# Altium PCB GameBoard_V1I1.PcbDoc (part 12 of 22)
Units mil, origin at the board's own origin, x right, y up, seen from the top; angles counter-clockwise.
Board outline 7165.35 x 2814.96 mil, 12 copper layers (L1, L2, L3, L4, L5 (PWR), L6 (PWR), L7 (PWR), L8 (PWR), L9, L10, L11, L12), stack 61.575 mil thick; 1551 components, 1072 nets, 5467 pads, 3785 vias.
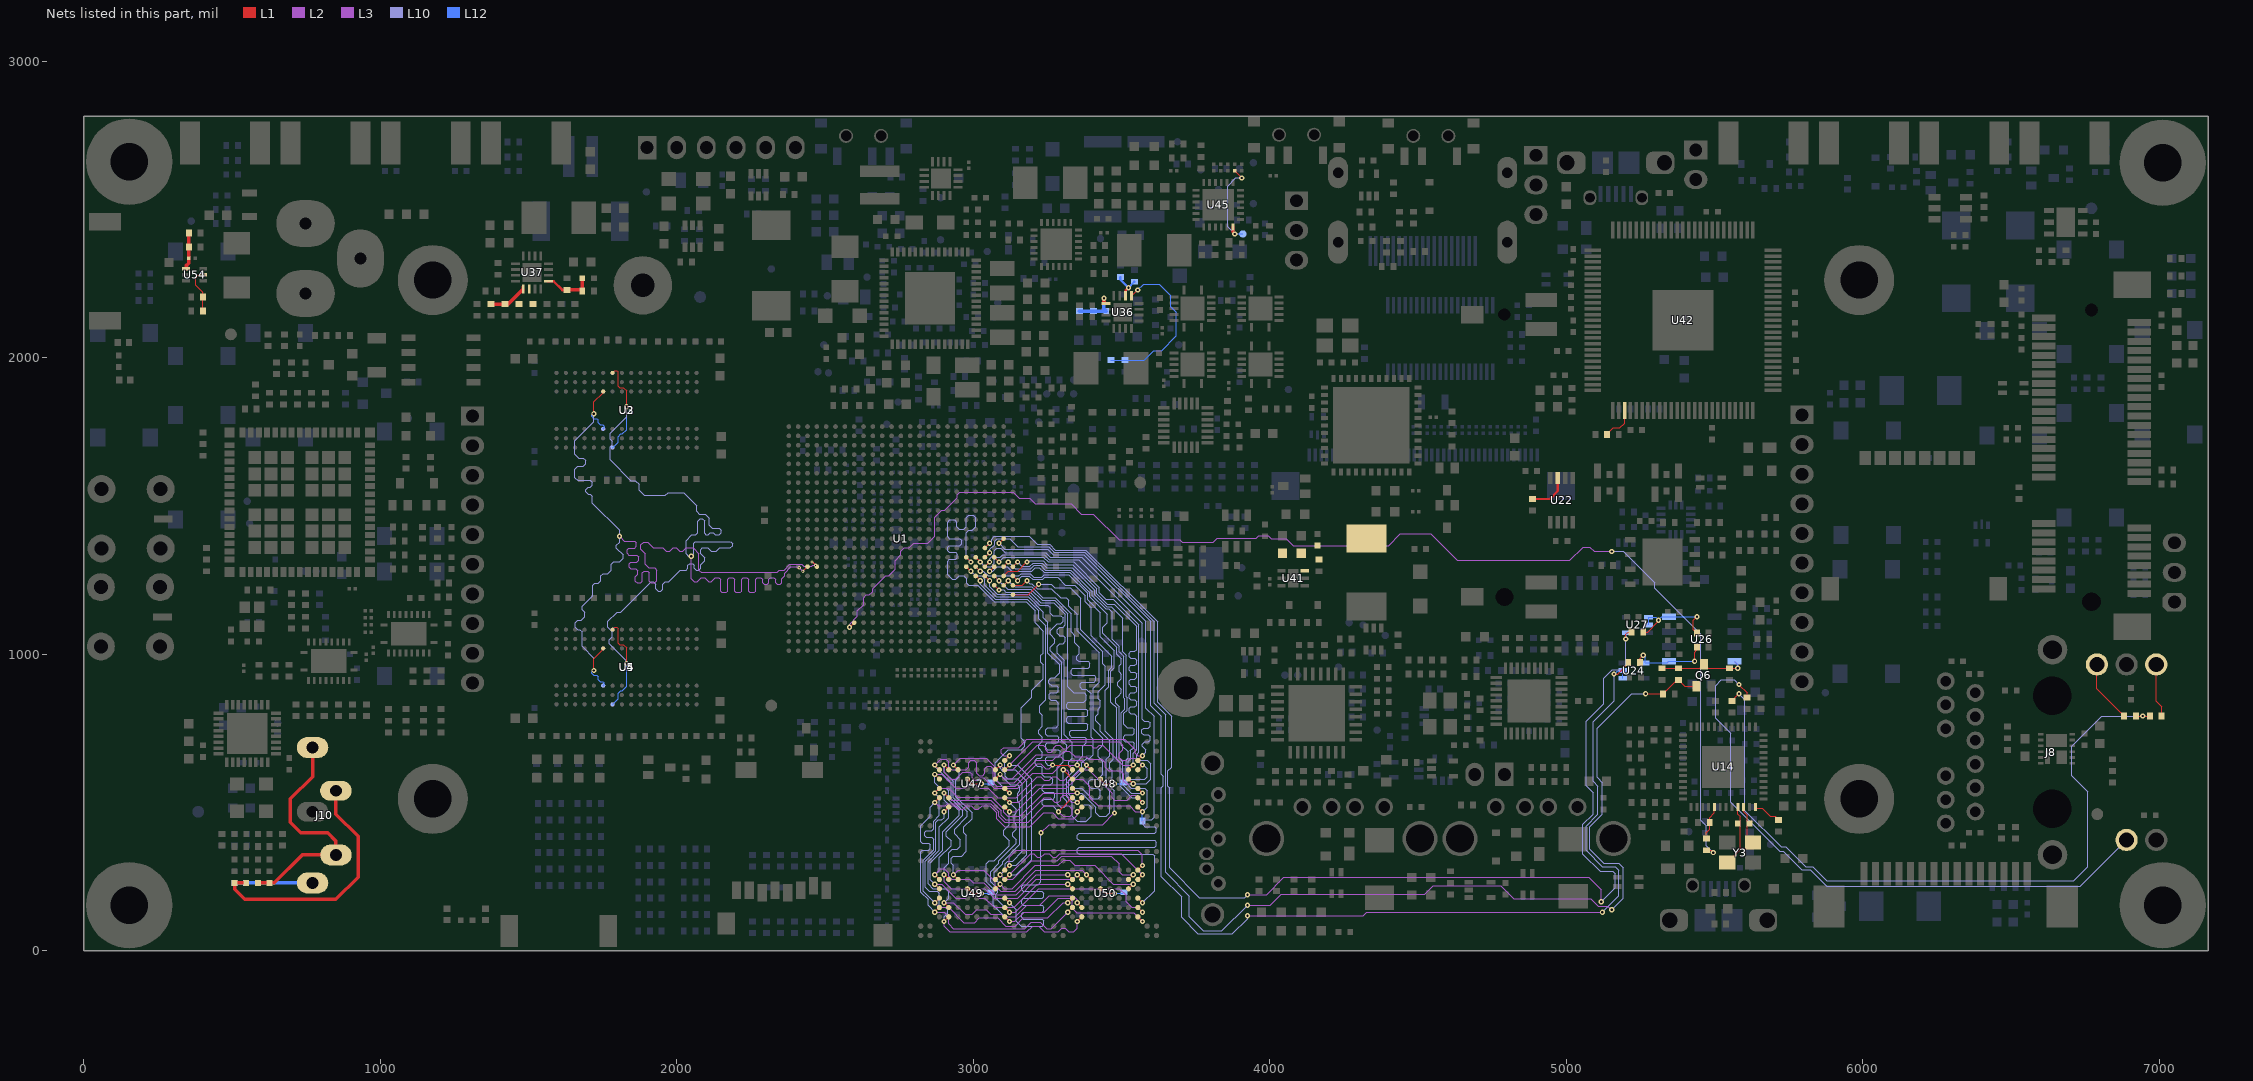
[diagram p22: the nets of this part, all layers, seen from the top]

## Via types
v1: diameter 17.72, hole 7.87, L1 to L12, 1935 vias
v2: diameter 17.72, hole 7.87, L1 to L12, tented both sides, 995 vias
v3: diameter 10.63, hole 3.94, L1 to L2, 334 vias
v4: diameter 11.81, hole 3.94, L2 to L3, 334 vias
v5: diameter 10.63, hole 3.94, L11 to L12, 94 vias
v6: diameter 11.81, hole 3.94, L10 to L11, 93 vias

## Nets (pads, with @x,y where several pads share a name; then routed paths per layer and width w, separated by ;. In a path a pad name is that pad's centre, name@x,y a point inside that pad or via, vN(x,y) a via of type N, cw(c..) or ccw(c..) an arc to the next point about the centre after c; other vN are vias at no path point) (continued)
DRAM_SDODT0: U1.AC16 U2.K1 U3.K1 U4.K1 U5.K1 | length 3543.6
  L1 w3.15: U4.K1@1783.53,1082.68 1791.4,1090.55 1798.29,1090.55 1802.23,1086.61 1802.23,1037.4 1807.15,1032.48 1820.33,1032.48 1830.77,1022.03 v2@1830.77,968.5 ; U2.K1@1783.53,1948.82 1791.4,1956.69 1798.29,1956.69 1802.23,1952.76 1802.23,1903.54 1807.15,1898.62 1820.33,1898.62 1830.77,1888.17 v2@1830.77,1834.65 ; v3(2425.2,1279.53) U1.AC16@2440.94,1295.28
  L3 w3.15: v2(2049.21,1330.71) 2049.21,1253.94 2059.06,1244.09 2068.9,1244.09 2082.68,1257.87 2094.49,1257.87 2108.27,1244.09 2116.14,1244.09 2129.92,1257.87 2141.73,1257.87 2147.64,1251.97 2147.64,1213.07 2152.05,1208.66 2166.85,1208.66 2171.26,1213.07 2171.26,1251.97 2177.16,1257.87 2188.98,1257.87 2194.88,1251.97 2194.88,1213.07 2199.29,1208.66 2214.09,1208.66 2218.5,1213.07 2218.5,1251.97 2224.41,1257.87 2236.22,1257.87 2242.13,1251.97 2242.13,1213.07 2246.54,1208.66 2261.33,1208.66 2265.75,1213.07 2265.75,1251.97 2271.65,1257.87 2283.46,1257.87 2289.37,1251.97 2289.37,1240.16 2294.29,1235.24 2305.12,1235.24 2310.04,1240.16 2310.04,1251.97 2315.94,1257.87 2327.76,1257.87 2333.66,1251.97 2333.66,1240.16 2338.58,1235.24 2349.41,1235.24 2354.33,1240.16 2354.33,1254.95 2364.17,1264.79 2364.17,1273.62 2384.84,1294.29 2410.43,1294.29 v4(2413.39,1291.34)
  L10 w3.15: v2(1830.71,968.5) 1830.71,976.38 1771.65,1035.43 1771.65,1048.23 1782.48,1059.06 1782.48,1075.79 1767.72,1090.55 1767.72,1110.24 1799.21,1141.73 1811.02,1141.73 1913.39,1244.09 1921.26,1244.09 1929.13,1236.22 1929.13,1220.47 1937.01,1212.6 1945.56,1212.6 1952.76,1219.8 1952.76,1236.22 1960.63,1244.09 1972.44,1244.09 2011.81,1283.46 2031.5,1283.46 2037.4,1289.37 2037.4,1299.21 2043.31,1305.12 2053.15,1305.12 2059.05,1299.21 2059.05,1289.37 2064.96,1283.46 2074.8,1283.46 2080.71,1289.37 2080.71,1301.18 2094.49,1314.96 2094.49,1324.8 2080.71,1338.58 2080.71,1352.36 2086.61,1358.27 2104.33,1358.27 2116.14,1346.46 2133.86,1346.46 2145.67,1358.27 2181.1,1358.27 2188.98,1366.14 2188.98,1372.78 2181.84,1379.92 ; v2@1830.77,1834.65 1830.77,1800.13 1775.66,1745.01 1775.66,1725.54 1782.48,1718.71 1782.48,1706.48 1775.66,1699.66 1775.66,1655.15 1845.18,1585.63 1859.77,1585.63 1873.03,1572.37 1873.03,1552.99 1890.59,1535.43 1960.7,1535.43 1970.54,1545.28 2022.91,1545.28 2066.99,1501.19 2066.99,1481.3 2075.85,1472.44 2095.75,1472.44 2110.3,1457.89 2110.3,1434.06 2119.16,1425.2 2142.99,1425.2 2149.67,1418.52 2149.67,1409.45 2142.78,1402.56 2129.99,1402.56 2123.1,1409.45 2113.25,1409.45 2106.36,1402.56 2098.49,1402.56 2093.57,1407.48 2093.57,1448.82 ; v2@2049.28,1330.71 v2(2049.21,1330.71) ; 2093.57,1449.8 2086.68,1456.69 2078.81,1456.69 2070.93,1448.82 2070.93,1409.51 2063.98,1402.56 2051.25,1402.56 2031.56,1382.87 2031.56,1338.58 2039.43,1330.71 v2(2049.21,1330.71) ; 2181.1,1379.92 2062.99,1379.92 2057.08,1374.02 2057.08,1338.58 v2(2049.21,1330.71)
  L2 w3.15: v4(2413.39,1291.34) v3(2425.2,1279.53)
  L12 w3.15: U5.K1@1783.46,830.71 1802.16,849.41 1802.23,849.41 1802.23,867.5 1811.7,876.97 1816.39,876.97 1830.77,891.35 v2@1830.77,968.5 ; U3.K1@1783.53,1696.85 1802.23,1715.55 1802.23,1733.65 1811.7,1743.11 1816.39,1743.11 1830.77,1757.49 v2@1830.77,1834.65
  other v2: 1830.71,1834.65
DRAM_WE_B: U1.AB16 U2.L3 U3.L3 U4.L3 U5.L3 | length 2902.3
  L1 w3.15: v2@1720.54,944.88 1720.54,984.93 1752.03,1016.42 U4.L3@1752.03,1019.68 ; v2@1720.54,1811.02 1720.54,1851.07 1752.03,1882.57 U2.L3@1752.03,1885.83 ; v3(2456.69,1311.02) U1.AB16@2472.44,1295.28
  L3 w3.15: v2(1807.09,1397.64) 1823.09,1381.64 1858.52,1381.64 1864.17,1375.98 1864.17,1363.92 1858.27,1358.02 1838.58,1358.02 1832.68,1352.11 1832.68,1340.3 1838.58,1334.39 1865.22,1334.39 1871.12,1328.49 1871.12,1316.68 1865.22,1310.77 1845.53,1310.77 1839.63,1304.87 1839.63,1293.06 1845.28,1287.4 1862.2,1287.4 1868.11,1281.5 1868.11,1269.68 1860.24,1261.81 1860.24,1246.06 1866.14,1240.16 1877.95,1240.16 1883.86,1246.06 1883.86,1274.16 1889.76,1280.07 1901.57,1280.07 1907.48,1274.16 1907.48,1246.06 1913.39,1240.16 1925.2,1240.16 1933.07,1248.03 1933.07,1283.46 1925.2,1291.34 1905.51,1291.34 1893.7,1303.15 1893.7,1338.58 1878.94,1353.35 1878.94,1368.32 1888.57,1377.95 1901.57,1377.95 1921.26,1358.27 1952.76,1358.27 1964.57,1346.46 1976.38,1346.46 1988.19,1358.27 1997.69,1358.27 2009.5,1346.46 2019.75,1346.46 2031.56,1358.27 2055.79,1358.27 2074.8,1339.26 2074.8,1283.46 2082.68,1275.59 2338.58,1275.59 2346.46,1283.46 2362.2,1283.46 2381.89,1303.15 2420.87,1303.15 2428.15,1295.87 2455.41,1295.87 2458.76,1299.21 v4(2468.5,1299.21)
  L10 w3.15: v2(1720.47,944.88) 1720.47,986.62 1680.68,1026.41 1680.68,1075.22 1673.23,1082.68 1665.36,1082.68 1657.48,1090.55 1657.48,1106.3 1665.36,1114.17 1677.17,1114.17 1688.98,1125.99 1688.98,1141.73 1681.1,1149.61 1681.1,1161.42 1716.54,1196.85 1716.54,1232.28 1723.86,1239.61 1735.67,1239.61 1744.09,1248.03 1744.09,1263.78 1751.97,1271.65 1767.72,1271.65 1779.53,1283.46 1779.53,1303.15 1787.4,1311.02 1807.09,1311.02 1818.9,1322.83 1818.9,1334.65 1796.64,1356.91 1796.64,1367.5 1807.09,1377.95 v2(1807.09,1397.64) ; v2@1720.54,1811.02 1720.54,1783.53 1656.42,1719.42 1656.42,1687.29 1656.5,1687.22 1656.5,1674.99 1656.42,1674.92 1656.42,1674.35 1669.36,1661.42 1685.11,1661.42 1692.98,1653.54 1692.98,1641.73 1685.11,1633.86 1666.54,1633.86 1656.42,1623.74 1656.42,1595.61 1665.42,1586.61 1708.73,1586.61 1715.65,1579.69 1715.65,1569.92 1708.73,1562.99 1700.85,1562.99 1692.98,1555.12 1692.98,1547.24 1700.85,1539.37 1708.73,1539.37 1715.65,1532.45 1715.65,1508.82 1807.15,1417.32 v2@1807.15,1397.64
  L2 w3.15: v3(2456.69,1311.02) v4(2468.5,1299.21)
  L12 w3.15: v2@1720.54,944.88 1717.59,944.88 1712.66,939.96 1712.66,936.36 1720.54,928.49 1729.73,928.49 1734.47,923.75 1734.47,914.52 1741.52,907.48 1750.74,907.48 1755.32,902.9 1755.32,896.99 U5.L3@1752.03,893.7 ; v2@1720.54,1811.02 1717.59,1811.02 1712.66,1806.1 1712.66,1802.5 1720.54,1794.63 1729.73,1794.63 1734.47,1789.89 1734.47,1780.67 1741.52,1773.62 1750.74,1773.62 1755.32,1769.04 1755.32,1763.13 U3.L3@1752.03,1759.84
  other v2: 1720.47,1811.02
DRVSTR: R342.2 R345.2 U42.3 | length 113.3
  L1 w3.15: R342.2@5141.73,1744.09 5141.73,1746.06 5159.45,1763.78 5181.1,1763.78 5196.85,1779.53 U42.3@5196.85,1821.85
DSEL: R471.1 TP46.1 U45.24 | length 318.3
  L1 w3.15: R471.1@3881.89,2631.3 3881.89,2629.92 v1(3905.51,2606.3)
  L1 w9.06: U45.24@3875.98,2440.94 3875.98,2423.23 v1(3881.89,2417.32)
  L10 w3.15: v1(3881.89,2417.32) 3858.27,2440.94 3858.27,2578.74 3885.83,2606.3 v1(3905.51,2606.3)
  L12 w3.15: v1(3881.89,2417.32) TP46.1@3909.45,2417.32
EEPROM_WP: R214.1 R215.1 U22.7 | length 140.9
  L1 w7.87: R214.1@4885.83,1523.62 4944.88,1523.62 4971.46,1550.2 U22.7@4971.46,1594.49
EN_1V8WIFI: R508.2 R510.2 U54.5 | length 152.4
  L1 w3.15: R508.2@401.58,2157.48 R510.2@401.58,2204.72 401.58,2220.47 377.95,2244.09 377.95,2271.65 385.83,2279.53 U54.5@403.15,2279.53
EN_1V375: R299.1 R301.1 U36.5 | length 570.2
  L1 w3.15: U36.5@3531.5,2204.72 v1(3555.12,2228.35)
  L12 w3.15: R301.1@3464.57,1992.13 R299.1@3511.81,1992.13 3576.77,1992.13 3608.27,2023.62 3635.05,2023.62 3685.04,2073.61 3685.04,2152.56 3666.34,2171.26 3666.34,2208.87 3627.18,2248.03 3574.8,2248.03 v1(3555.12,2228.35) v1@3559.06,2228.35
EN_3V3_HDR: R310.2 R312.1 U37.5 | length 136.8
  L1 w7.87: U37.5@1480.32,2229.92 U37.5@1480.32,2240.16
  L1 w11.81: R310.2@1374.02,2181.1 R312.1@1421.26,2181.1 1431.5,2181.1 U37.5@1480.32,2229.92
ENET_LED_LINK: J8.13 R120.2 | length 2080.3
  L1 w3.15: v1(5582.68,897.64) 5582.68,896.64 5610.24,869.08 R120.2@5610.24,854.33
  L10 w3.15: v1(5582.68,897.64) 5566.93,913.39 5523.62,913.39 5503.94,893.7 5503.94,784.45 5555.12,733.27 5555.12,500 5720.47,334.65 5732.28,334.65 5794.78,272.15 5822.34,272.15 5877.95,216.54 6733.28,216.54 J8.13@6890.04,373.29
ENET_LED_RX: R121.2 R199.2 R200.2 | length 2468.3
  L1 w3.15: R121.2@5559.06,842.52 v1(5582.68,866.14) ; R199.2@6921.26,791.34 v1(6944.88,791.34) R200.2@6968.5,791.34
  L10 w3.15: v1(5582.68,866.14) 5602.36,846.46 5602.36,472.44 5724.48,350.33 5740.16,350.33 5807.09,283.4 5830.77,283.4 5877.95,236.22 6712.6,236.22 6759.84,283.46 6759.84,535.43 6704.72,590.55 6704.72,688.98 6807.09,791.34 v1(6944.88,791.34)
ENET_LED_RX_G: J8.17 R200.1 | length 181.3
  L1 w3.15: J8.17@6990.04,965.29 6990.04,840.67 7007.87,822.83 R200.1@7007.87,791.34
ENET_LED_RX_O: J8.15 R199.1 | length 212
  L1 w3.15: J8.15@6790.04,965.29 6790.04,883.19 R199.1@6881.89,791.34
ENET_REF_CLK: R123.2 U1.V22 | length 4265.1
  L1 w3.15: v2(2582.68,1090.55) U1.V22@2598.43,1106.3 ; R123.2@5472.44,338.58 5488.19,338.58 v1(5496.06,330.71)
  L3 w3.15: v2(2582.68,1090.55) 2582.68,1101.17 2609.25,1127.74 2609.25,1146.6 2629.92,1167.26 2629.92,1190.17 2639.55,1199.8 2649.82,1199.8 2660.43,1210.42 2660.43,1220.68 2704.51,1264.76 2714.78,1264.76 2736.22,1286.21 2736.22,1314.96 2755.91,1334.65 2755.91,1347.65 2767.51,1359.25 2784.45,1359.25 2799.21,1374.02 2846.46,1374.02 2870.08,1397.64 2870.08,1461.82 2893.49,1485.24 2903.75,1485.24 2945.87,1527.35 2945.87,1537.61 2954.52,1546.26 3134.25,1546.26 3154.92,1525.59 3190.94,1525.59 3209.65,1506.89 3329.72,1506.89 3364.17,1472.44 3405.51,1472.44 3492.13,1385.83 3696.85,1385.83 3705.71,1376.97 3810.04,1376.97 3823.82,1390.75 3953.74,1390.75 3962.6,1399.61 3995.08,1399.61 4004.92,1389.76 4055.79,1389.76 4079.42,1366.14 4401.57,1366.14 4440.94,1405.51 4543.31,1405.51 4631.89,1316.93 5012.59,1316.93 5056.88,1361.22 5079.72,1361.22 5094.49,1346.46 v1(5153.54,1346.46)
  L10 w3.15: v1(5153.54,1346.46) 5192.91,1346.46 5299.21,1240.16 5299.21,1221.67 5453.74,1067.14 5453.74,439.96 5472.44,421.26 5472.44,354.33 v1(5496.06,330.71)
ENET_REF_CLK_R: R123.1 R138.2 U14.41 | length 117.7
  L1 w3.15: R123.1@5472.44,377.95 5472.44,397.64 5484.25,409.45 R138.2@5484.25,433.07 5484.25,448.82 5500,464.57 U14.41@5500,484.25
ETH_ISET: R125.1 U14.48 | length 96.7
  L1 w3.15: U14.48@5637.8,484.25 5641.73,480.32 5661.42,480.32 5688.98,452.76 5704.72,452.76 R125.1@5716.54,440.94
ETH_OSCI_25MHz: C188.1 U14.46 Y3.3 | length 139.6
  L1 w3.15: U14.46@5598.43,484.25 5598.43,468.5 5610.24,456.69 5610.24,437.01 C188.1@5618.11,429.13 5610.24,421.26 5610.24,383.86 Y3.3@5629.92,364.17
ETH_OSCO_25MHz: C189.1 U14.45 Y3.1 | length 208.2
  L1 w3.15: Y3.1@5543.31,297.24 5586.61,340.55 5586.61,452.76 5578.74,460.63 U14.45@5578.74,484.25
F_VIN: C363.1 C364.1 FB43.1 L10.1 R327.2 U41.6
FB_1V8WIFI: C526.2 R509.1 R511.2 U54.1 | length 126
  L1 w11.81: U54.1@344.88,2299.21 344.88,2309.45 354.33,2318.9 C526.2@354.33,2334.65 R509.1@354.33,2374.02 R511.2@354.33,2421.26
FB_1V375: C341.1 R296.1 R300.2 U36.9 | length 157.9
  L1 w8.66: 3440.94,2190.55 U36.9@3448.43,2183.07
  L1 w11.81: 3440.94,2190.55 v1(3440.94,2200.79)
  L12 w11.81: R300.2@3358.27,2157.48 C341.1@3448.82,2157.48 3440.94,2165.35 v1(3440.94,2200.79)
FB_3V3_HDR: C348.1 R307.1 R311.2 U37.9 | length 170.9
  L1 w8.66: U37.9@1567.32,2257.87 1584.65,2257.87 1614.17,2228.35 R311.2@1629.92,2228.35
  L1 w11.81: R311.2@1629.92,2228.35 1677.17,2228.35 R307.1@1681.1,2224.41 C348.1@1681.1,2267.72
FIL_HP_OUTL: C278.1 FB22.2 J10.2 J10.4 | length 811.8
  L1 w11.81: FB22.2@587.52,228.5 641.89,228.5 736.22,322.83 J10.2@850.39,322.83 850.39,370.08 822.83,397.64 732.28,397.64 696.85,433.07 696.85,511.81 771.65,586.61 J10.4@771.65,685.04
FIL_HP_OUTR: C277.1 FB21.2 J10.3 | length 844.1
  L1 w11.81: FB21.2@548.15,228.5 C277.1@508.78,228.5 508.78,207.76 543.31,173.23 850.39,173.23 925.2,248.03 925.2,385.83 850.39,460.63 J10.3@850.39,539.37
FIL_MIC_IN: C283.1 FB23.2 J10.1 | length 263.8
  L12 w11.81: C283.1@507.87,228.35 FB23.2@547.24,228.35 J10.1@771.65,228.35
FLASH_ALE: U1.A16 U47.C4 U48.C4 U49.C4 U50.C4 | length 2870.2
  L1 w3.15: U49.C4@3106.3,240.16 v2(3122.05,255.91) ; U47.C4@3106.3,610.24 v2(3122.05,625.98) ; U1.A16@3133.86,1295.28 v2(3149.61,1311.02) ; U50.C4@3555.12,240.16 v2(3570.87,255.91) ; U48.C4@3555.12,610.24 v2(3570.87,625.98)
  L3 w3.15: v2(3122.05,255.91) 3193.19,327.05 3204.45,327.05 3216.54,314.96 3228.35,314.96 3240.43,327.05 3255.91,327.05 3267.99,314.96 3279.53,314.96 3291.34,326.77 3291.34,327.05 3499.72,327.05 v2(3570.87,255.91) ; v2(3122.05,625.98) 3200.79,704.72 3492.13,704.72 3503.94,692.91 3503.94,677.17 3492.13,665.35 3492.13,652.54 3493.11,651.56 3493.11,651.37 3502.74,641.73 3518.56,641.73 3526.44,649.61 3547.24,649.61 v2(3570.87,625.98)
  L10 w3.15: v2(3122.05,255.91) 3145.67,255.91 3196.85,307.09 3196.85,578.74 3149.61,625.98 v2(3122.05,625.98) ; v2(3149.61,1311.02) 3164.37,1296.26 3191.31,1296.26 3202.14,1307.09 3232.28,1307.09 3248.03,1291.34 3334.51,1291.34 3409.45,1216.4 3409.45,1200.48 3449.49,1160.43 3465.41,1160.43 3503.94,1121.91 3503.94,1007.87 3515.75,996.06 3515.75,856.82 3518.7,853.86 3518.7,810.78 3507.87,799.95 3507.87,763.78 3519.69,751.97 3536.97,751.97 ; 3537.75,751.19 3536.97,751.97 ; v2(3570.87,625.98) 3574.8,625.98 3586.61,614.17 3586.61,586.61 3578.74,578.74 3531.5,578.74 3523.62,586.61 3523.62,639.65 3530.51,646.54 3530.51,673.54 3530.1,673.95 3530.1,675.31 3535.94,681.15 3537.75,681.15 3543.31,686.71 3543.31,698.93 3537.75,704.49 3513.43,704.49 3507.87,710.05 3507.87,722.28 3513.43,727.84 3537.75,727.84 3543.31,733.4 3543.31,745.63 3540.9,748.03 3536.97,751.97
FLASH_CLE: U1.C15 U47.D5 U48.D5 U49.D5 U50.D5 | length 2871.9
  L1 w3.15: U1.C15@3070.87,1326.77 v2(3086.61,1311.02) ; U49.D5@3074.8,208.66 v2(3090.55,224.41) ; U47.D5@3074.8,578.74 v2(3090.55,594.49) ; U50.D5@3523.62,208.66 v2(3539.37,224.41) ; U48.D5@3523.62,578.74 v2(3539.37,562.99)
  L3 w3.15: v2(3090.55,224.41) 3105.32,209.65 3130.91,209.65 3208.66,287.4 3287.4,287.4 3305.12,305.12 3324.8,305.12 3342.52,287.4 3409.45,287.4 3472.44,224.41 v2(3539.37,224.41) ; v2(3090.55,594.49) 3105.32,579.72 3130.91,579.72 3212.6,661.42 3295.28,661.42 3307.09,673.23 3324.03,673.23 3343.71,653.54 3381.89,653.54 3389.76,645.67 3433.07,645.67 3444.88,633.86 3444.88,618.11 3456.69,606.3 3496.06,606.3 3507.87,594.49 3507.87,570.87 3515.75,562.99 v2(3539.37,562.99)
  L10 w3.15: v2(3086.61,1311.02) 3087.13,1311.02 3102.88,1326.77 3236.9,1326.77 3252.37,1311.02 3338.58,1311.02 3425.2,1224.41 3425.2,1207.47 3447.62,1185.04 3472.44,1185.04 3559.06,1098.43 3559.06,669.17 3551.18,661.29 3551.18,649.61 3559.06,641.73 3586.61,641.73 3598.43,629.92 3598.43,578.74 3582.68,562.99 v2(3539.37,562.99) ; v2(3090.55,224.41) 3070.87,244.09 3070.87,263.78 3099.41,292.32 3099.41,300.2 3157.48,358.27 3157.48,496.06 3149.61,503.94 3149.61,531.5 3157.48,539.37 3157.48,551.18 3149.61,559.06 3125.47,559.06 3090.55,593.97 v2(3090.55,594.49)
FLASH_CS0: U1.F15 U47.C6 | length 1812.3
  L1 w3.15: U1.F15@2976.38,1326.77 v2(2992.13,1311.02) ; U47.C6@3106.3,547.24 v2(3122.05,531.5)
  L10 w3.15: v2(2992.13,1311.02) 2976.38,1326.77 2976.38,1409.45 2984.25,1417.32 2996.06,1417.32 3007.87,1429.13 3007.87,1460.63 3000,1468.5 2984.25,1468.5 2976.38,1460.63 2976.38,1429.13 2968.5,1421.26 2952.76,1421.26 2944.88,1429.13 2944.88,1444.88 2937.01,1452.76 2921.26,1452.76 2913.39,1444.88 2913.39,1395.74 2919.22,1389.9 2954.77,1389.9 2960.61,1384.06 2960.61,1372.39 2954.77,1366.56 2919.22,1366.56 2913.39,1360.72 2913.39,1349.05 2919.22,1343.21 2940.94,1343.21 2946.78,1337.37 2946.78,1325.7 2940.94,1319.86 2919.22,1319.86 2913.39,1314.03 2913.39,1267.72 2929.13,1251.97 2940.94,1251.97 2952.76,1263.78 2968.5,1263.78 2977.5,1254.78 2977.5,1254.29 2977.36,1254.15 2977.36,1239.17 2984.25,1232.28 3015.75,1232.28 3070.87,1177.17 3178.36,1177.17 3208.66,1146.86 3208.66,1105.35 3236.22,1077.79 3236.22,1003.94 3228.35,996.06 3228.35,972.44 3236.22,964.57 3236.22,917.32 3196.85,877.95 3196.85,854.33 3161.42,818.9 3161.42,716.54 3173.23,704.72 3173.23,688.98 3161.42,677.17 3118.11,677.17 3074.8,633.86 3074.8,578.74 v2(3122.05,531.5)
FLASH_CS1: U1.C16 U48.C6 | length 1253.1
  L1 w3.15: v2(3055.12,1279.53) U1.C16@3070.87,1295.28 ; U48.C6@3555.12,547.24 v2(3570.87,531.5)
  L10 w3.15: v2(3055.12,1279.53) 3065.74,1279.53 3081.48,1295.28 3114.17,1295.28 3129.92,1279.53 3196.85,1279.53 3208.66,1291.34 3222.94,1291.34 3238.68,1275.59 3326.1,1275.59 3393.7,1207.99 3393.7,1193.96 3452.76,1134.9 3452.76,1106.3 3437.01,1090.55 3437.01,1070.87 3484.25,1023.62 3484.25,1000 3500,984.25 3500,968.5 3492.13,960.63 3492.13,940.94 3500,933.07 3500,917.32 3488.19,905.51 3488.19,893.7 3500,881.89 3500,869.11 3490.14,859.25 3489.95,859.25 3481.3,850.6 3481.3,833.66 3492.13,822.83 3492.13,648.93 3503.94,637.12 3503.94,559.73 3532.17,531.5 v2(3570.87,531.5)
FLASH_CS2: U1.A17 U49.C6 | length 2275.3
  L1 w3.15: U49.C6@3106.3,177.17 v2(3122.05,161.42) ; U1.A17@3133.86,1263.78 v2(3149.61,1248.03)
  L3 w3.15: v2(3228.35,397.64) 3255.91,425.2 3437.01,425.2 v2(3476.38,464.57)
  L10 w3.15: v2(3122.05,161.42) 3145.67,137.8 3145.67,98.43 3161.28,82.82 3232.28,82.82 ; v2(3149.61,1248.03) 3164.37,1262.8 3189.29,1262.8 3200.11,1251.97 3235.09,1251.97 3241.98,1258.86 3284.45,1258.86 3311.02,1232.28 3342.38,1232.28 3377.95,1196.71 3377.95,1176.18 3397.64,1156.5 3397.64,1062.99 3467.52,993.11 3467.52,956.02 3456.69,945.19 3456.69,889.76 3444.88,877.95 3444.88,740.16 3472.44,712.6 3472.44,645.67 3460.63,633.86 3460.63,614.17 3468.5,606.3 3468.5,582.68 3460.63,574.8 3460.63,555.12 3476.38,539.37 v2(3476.38,464.57) ; v2(3228.35,397.64) 3228.35,232.28 3218.96,222.89 3169.09,222.89 3163.25,217.06 3163.25,205.38 3169.09,199.55 3232.28,199.55 ; 3232.28,82.68 3238.12,88.51 3238.12,100.19 3232.28,106.02 ; 3232.28,106.16 3169.09,106.16 3163.25,112 3163.25,123.67 3169.09,129.51 3232.28,129.51 ; 3232.28,129.37 3238.12,135.21 3238.12,146.88 3232.28,152.72 ; 3232.28,152.85 3169.09,152.85 3163.25,158.69 3163.25,170.36 3169.09,176.2 3232.28,176.2 ; 3232.28,176.06 3238.12,181.9 3238.12,193.57 3232.28,199.41
FLASH_CS3: U1.D16 U50.C6 | length 2780.8
  L1 w3.15: U1.D16@3039.37,1295.28 v2(3055.12,1311.02) ; U50.C6@3555.12,177.16 v2(3570.87,161.42)
  L10 w3.15: v2(3055.12,1311.02) 3055.12,1321.64 3070.87,1337.39 3070.87,1349 3079.86,1357.99 3092.02,1357.99 3101.38,1348.64 3101.38,1348.31 3107.17,1342.52 3244.09,1342.52 3259.84,1326.77 3366.14,1326.77 3582.68,1110.24 3582.68,818.05 3610.24,790.49 3610.24,449.78 3602.36,441.91 3578.74,441.91 3572.9,436.07 3572.9,424.4 3578.74,418.56 3611.36,418.56 3617.19,412.73 3617.19,401.05 3611.36,395.22 3357.32,395.22 3351.49,389.38 3351.49,377.71 3357.32,371.87 3611.36,371.87 3617.19,366.03 3617.19,354.36 3611.36,348.52 3357.32,348.52 3351.49,342.69 3351.49,331.01 3357.32,325.18 3605.52,325.18 3611.36,319.34 3611.36,201.91 v2(3570.87,161.42)
FLASH_DATA0: U1.A18 U47.H4 U48.H4 U49.H4 U50.H4 | length 2871.9
  L1 w3.15: v2(2933.07,255.91) U49.H4@2948.82,240.16 ; v2(2933.07,625.98) U47.H4@2948.82,610.24 ; U1.A18@3133.86,1232.28 3165.35,1232.28 v2(3181.1,1248.03) ; v2(3381.89,255.91) U50.H4@3397.64,240.16 ; v2(3381.89,625.98) U48.H4@3397.64,610.24
  L3 w3.15: v2(2933.07,255.91) 2948.82,271.65 3035.43,271.65 3074.8,232.28 3074.8,219.28 3093.29,200.79 3141.73,200.79 3211.61,270.67 3367.13,270.67 v2(3381.89,255.91) ; v2(2933.07,625.98) 2956.69,649.61 3043.31,649.61 3074.8,618.11 3074.8,578.74 3086.61,566.93 3137.8,566.93 3212.6,641.73 3267.72,641.73 3279.53,653.54 3295.28,653.54 3307.09,641.73 3366.14,641.73 v2(3381.89,625.98)
  L10 w3.15: v2(2933.07,255.91) 2933.07,287.4 2925.2,295.28 2925.2,311.02 2933.07,318.9 2960.63,318.9 2976.38,334.65 2976.38,389.76 2968.5,397.64 2968.5,417.32 2996.06,444.88 2996.06,464.57 2940.95,519.68 2940.95,574.8 2952.76,586.61 2952.76,606.3 v2(2933.07,625.98) ; v2(3181.1,1248.03) 3190.95,1238.19 3197.62,1238.19 3215.34,1220.47 3263.85,1220.47 3294.36,1189.96 3313.98,1189.96 3322.83,1181.1 3322.83,1161.48 3350.39,1133.92 3350.39,1079.42 3425.2,1004.61 3425.2,905.51 3405.51,885.83 3405.51,748.03 3437.01,716.54 3437.01,692.91 3421.26,677.17 3421.26,653.54 3437.01,637.8 3437.01,594.49 3421.26,578.74 3397.64,578.74 3389.76,570.87 3389.76,555.12 3397.64,547.24 3421.26,547.24 3429.13,539.37 3429.13,519.68 3421.26,511.81 3401.57,511.81 3366.14,547.24 3342.52,547.24 3334.65,555.12 3334.65,570.87 3381.89,618.11 v2(3381.89,625.98)
FLASH_DATA1: U1.C17 U47.J4 U48.J4 U49.J4 U50.J4 | length 2869.8
  L1 w3.15: v2(2901.57,255.91) U49.J4@2917.32,240.16 ; v2(2901.58,625.98) U47.J4@2917.32,610.24 ; U1.C17@3070.87,1263.78 v2(3086.61,1248.03) ; v2(3350.39,255.91) U50.J4@3366.14,240.16 ; v2(3350.39,625.98) U48.J4@3366.14,610.24
  L3 w3.15: v2(2901.57,255.91) 2901.58,232.28 2925.2,208.66 3039.37,208.66 3070.87,177.17 3149.61,177.17 3212.6,240.16 3334.65,240.16 v2(3350.39,255.91) ; v2(2901.58,625.98) 2901.58,602.36 2925.2,578.74 2940.94,578.74 2964.57,602.36 2988.19,602.36 2996.06,594.49 2996.06,582.68 3003.94,574.8 3015.75,574.8 3023.62,582.68 3035.43,582.68 3070.87,547.24 3149.61,547.24 3200.79,598.43 3267.72,598.43 3295.28,625.98 v2(3350.39,625.98)
  L10 w3.15: v2(2901.57,255.91) 2901.57,279.53 2917.32,295.28 2917.32,330.71 2929.13,342.52 2946.69,342.52 2956.69,352.52 2956.69,374.02 2937.01,393.7 2937.01,409.45 2980.32,452.76 2980.32,468.5 2933.07,515.75 2933.07,570.87 2901.58,602.36 v2(2901.58,625.98) ; v2(3086.61,1248.03) 3115.85,1218.8 3194.59,1218.8 3232.28,1181.1 3274.92,1181.1 3318.9,1137.12 3318.9,889.76 3338.58,870.08 3374.02,870.08 3381.89,862.2 3381.89,846.46 3372.5,837.07 3321.06,837.07 3315.22,831.23 3315.22,819.56 3321.06,813.72 3381.89,813.72 3386.1,809.51 3386.1,794.59 3381.89,790.37 3321.06,790.37 3315.22,784.54 3315.22,772.86 3321.06,767.03 3381.89,767.03 3386.1,762.81 3386.1,747.9 3381.89,743.68 3330.59,743.68 3324.76,737.84 3324.76,726.17 3330.59,720.33 3376.05,720.33 3381.89,714.5 3381.89,700.79 3370.08,688.98 3370.08,657.48 3350.39,637.8 v2(3350.39,625.98)
FLASH_DATA2: U1.F16 U47.K4 U48.K4 U49.K4 U50.K4 | length 2922.7
  L1 w3.15: v2(2870.08,255.91) U49.K4@2885.83,240.16 ; v2(2870.08,625.98) U47.K4@2885.83,610.24 ; U1.F16@2976.38,1295.28 v2(2992.13,1279.53) ; v2(3267.72,625.98) 3318.9,625.98 U48.K4@3334.65,610.24 ; v2(3318.9,255.91) U50.K4@3334.65,240.16
  L3 w3.15: v2(2870.08,255.91) 2889.76,275.59 2902.77,275.59 2917.32,261.04 2917.32,250.97 2918.31,249.99 2918.31,249.79 2927.94,240.16 2988.19,240.16 3000,228.35 3035.43,228.35 3074.8,188.98 3145.67,188.98 3212.6,255.91 v2(3318.9,255.91) ; v2(2870.08,625.98) 2889.76,645.67 2909.45,645.67 2917.32,637.8 2917.32,620.85 2927.94,610.24 2976.38,610.24 2984.25,618.11 2984.25,633.86 2992.13,641.73 3003.94,641.73 3011.81,633.86 3011.81,598.43 3019.68,590.55 3031.5,590.55 3039.37,598.43 3039.37,614.17 3047.24,622.05 3059.06,622.05 3066.93,614.17 3066.93,566.93 3078.74,555.12 3141.73,555.12 3216.54,629.92 3228.35,629.92 3244.09,614.17 3255.91,614.17 v2(3267.72,625.98)
  L10 w3.15: v2(2870.08,255.91) 2872.32,255.91 2885.83,269.41 2885.83,314.96 2925.2,354.33 2925.2,370.08 2909.45,385.83 2909.45,401.57 2964.57,456.69 2964.57,472.44 2925.2,511.81 2925.2,566.93 2870.08,622.05 v2(2870.08,625.98) ; v2(2992.13,1279.53) 3007.88,1263.78 3028.75,1263.78 3039.37,1253.16 3039.37,1231.77 3078.22,1192.91 3184.88,1192.91 3236.06,1141.73 3236.38,1141.73 3236.38,1123.03 3251.97,1107.44 3251.97,1003.94 3291.34,964.57 3291.34,937.01 3275.59,921.26 3263.78,921.26 3255.41,912.89 3255.41,902.07 3264.28,893.2 3281.13,893.2 3286.97,887.37 3286.97,875.69 3281.13,869.86 3261.74,869.86 3255.91,864.02 3255.91,850.39 3261.81,844.49 3277.56,844.49 3287.4,834.65 3287.4,759.84 3279.53,751.97 3251.47,751.97 3244.09,744.6 3244.09,730.38 3249.93,724.55 3282.92,724.55 3288.76,718.71 3288.76,707.04 3282.92,701.2 3249.93,701.2 3244.09,695.36 3244.09,683.69 3249.93,677.85 3286.86,677.85 3292.7,672.02 3292.7,660.34 3286.86,654.51 3249.93,654.51 3244.09,648.67 3244.09,633.86 3251.97,625.98 v2(3267.72,625.98)
FLASH_DATA3: U1.D17 U47.K5 U48.K5 U49.K5 U50.K5 | length 2893.7
  L1 w3.15: v2(2870.08,224.41) U49.K5@2885.83,208.66 ; v2(2870.08,594.49) U47.K5@2885.83,578.74 ; U1.D17@3039.37,1263.78 v2(3055.12,1248.03) ; v2(3303.15,610.24) U48.K5@3334.65,578.74 ; v2(3318.9,224.41) U50.K5@3334.65,208.66
  L3 w3.15: v2(2870.08,224.41) 2893.7,224.41 2940.94,177.17 2972.44,177.17 2988.19,192.91 3003.94,192.91 3019.69,177.17 3039.37,177.17 3070.87,145.67 3137.8,145.67 3216.54,224.41 v2(3318.9,224.41) ; v2(2870.08,594.49) 2893.7,594.49 2940.94,547.24 2972.44,547.24 2988.19,562.99 3006.68,562.99 3022.43,547.24 3050.79,547.24 3082.29,515.75 3145.67,515.75 3216.54,586.61 3228.35,586.61 3240.16,574.8 3255.91,574.8 3267.72,586.61 3279.53,586.61 3291.34,574.8 3307.09,574.8 3322.83,590.55 3322.83,602.36 3314.96,610.24 v2(3303.15,610.24)
  L10 w3.15: v2(2870.08,224.41) 2855.32,239.17 2855.32,296.26 2897.64,338.58 2897.64,401.57 2952.76,456.69 2952.76,472.44 2917.32,507.87 2917.32,539.37 2909.45,547.24 2888.78,547.24 2870.08,565.94 v2(2870.08,594.49) ; v2(3055.12,1248.03) 3055.12,1227.15 3080.5,1201.77 3187.16,1201.77 3223.58,1165.35 3251.97,1165.35 3259.84,1157.48 3259.84,1137.8 3267.72,1129.92 3295.28,1129.92 3303.15,1122.05 3303.15,1110.24 3295.28,1102.36 3283.46,1102.36 3259.84,1078.74 3259.84,1066.93 3275.59,1051.18 3275.59,1038.39 3259.84,1022.64 3259.84,1011.81 3299.21,972.44 3299.21,708.66 3314.96,692.91 3314.96,677.17 3303.15,665.35 3303.15,637.8 3283.46,618.11 3283.46,496.06 3295.28,484.25 3307.09,484.25 3314.96,492.13 3314.96,503.94 3303.15,515.75 v2(3303.15,610.24)
FLASH_DATA4: U1.A19 U47.K6 U48.K6 U49.K6 U50.K6 | length 2872.3
  L1 w3.15: v2(2870.08,161.42) U49.K6@2885.83,177.17 ; v2(2870.08,531.5) U47.K6@2885.83,547.24 ; U1.A19@3133.86,1200.79 3185.04,1200.79 v2(3220.47,1236.22) ; v2(3318.9,161.42) U50.K6@3334.65,177.17 ; U48.K6@3334.65,547.24 v2(3350.39,531.5)
  L3 w3.15: v2(2870.08,161.42) 2885.83,145.67 2917.32,145.67 2968.5,94.49 3004.89,94.49 3020.64,110.24 3082.68,110.24 3110.24,82.68 3141.73,82.68 3169.29,110.24 3251.97,110.24 3303.15,161.42 v2(3318.9,161.42) ; v2(2870.08,531.5) 2885.83,547.24 2917.32,547.24 2947.83,516.73 3062.01,516.73 3102.36,476.38 3102.36,467.31 3116.92,452.76 3157.48,452.76 3236.22,531.5 v2(3350.39,531.5)
  L10 w3.15: v2(2870.08,161.42) 2830.71,200.79 2830.71,305.06 2866.14,340.49 2866.14,375.92 2860.31,381.75 2841.62,381.75 2835.78,387.59 2835.78,399.26 2841.62,405.1 2860.31,405.1 2866.14,410.93 2866.14,437.01 2885.83,456.69 2885.83,515.75 v2(2870.08,531.5) ; v2(3220.47,1236.22) 3262.59,1236.22 3274.4,1224.41 3326.77,1224.41 3362.2,1188.98 3362.2,1082.68 3437.01,1007.87 3437.01,967.31 3444.88,959.44 3444.88,897.64 3421.26,874.02 3421.26,850.39 3429.13,842.52 3429.13,822.83 3421.26,814.96 3421.26,799.21 3413.39,791.34 3413.39,775.59 3429.13,759.84 3429.13,740.16 3460.63,708.66 3460.63,657.48 3448.82,645.67 3448.82,551.18 3460.63,539.37 3460.63,464.57 3448.82,452.76 3425.2,452.76 3413.39,464.57 3413.39,484.25 3366.14,531.5 v2(3350.39,531.5)
FLASH_DATA5: U1.B18 U47.J7 U48.J7 U49.J7 U50.J7 | length 2872.9
  L1 w3.15: v2(2901.57,161.42) U49.J7@2917.32,145.67 ; v2(2901.57,531.5) U47.J7@2917.32,515.75 ; U1.B18@3102.36,1232.28 v2(3118.11,1248.03) ; v2(3350.39,161.42) U50.J7@3366.14,145.67 ; v2(3350.39,500) U48.J7@3366.14,515.75
  L3 w3.15: v2(2901.57,161.42) 2933.07,161.42 2972.44,122.05 2996.06,122.05 3011.81,137.8 3043.31,137.8 3059.06,122.05 3094.49,122.05 3102.36,114.17 3141.73,114.17 3180.41,152.85 3223.72,152.85 3255.91,185.04 3337.39,185.04 3350.39,172.03 v2(3350.39,161.42) ; v2(2901.57,531.5) 2926.18,506.89 3059.88,506.89 3094.49,472.28 3094.49,456.69 3110.24,440.94 3165.35,440.94 3240.16,515.75 3259.84,515.75 3275.59,500 3287.4,500 3295.28,507.87 3295.28,515.75 3303.15,523.62 3314.96,523.62 3322.84,515.75 3322.84,507.87 3330.71,500 v2(3350.39,500)
  L10 w3.15: v2(2901.57,161.42) 2917.32,177.17 2917.32,198.04 2906.71,208.66 2865.14,208.66 2864.16,209.65 2863.96,209.65 2847.44,226.17 2847.44,299.52 2886.09,338.17 2886.09,417.58 2917.32,448.82 2917.32,492.13 2901.58,507.87 v2(2901.57,531.5) ; v2(3118.11,1248.03) 3139.47,1226.67 3197.85,1226.67 3234.56,1189.96 3277.19,1189.96 3330.43,1136.72 3330.43,1075.01 3342.52,1062.93 3342.52,1039.37 3358.27,1023.62 3358.27,1001.97 3349.34,993.04 3349.34,981.37 3355.18,975.53 3387.86,975.53 3393.7,969.69 3393.7,958.02 3387.86,952.18 3336.07,952.18 3330.23,946.35 3330.23,934.68 3336.07,928.84 3408.03,928.84 3413.87,923 3413.87,911.33 3408.03,905.49 3366.59,905.49 3360.75,899.66 3360.75,887.98 3366.59,882.15 3381.63,882.15 3397.64,866.14 3397.64,720.47 3405.51,712.6 3405.51,661.42 3393.7,649.61 3382.01,649.61 3366.14,633.74 3366.14,618.11 3322.83,574.8 3322.83,527.56 v2(3350.39,500)
FLASH_DATA6: U1.E17 U47.K7 U48.K7 U49.K7 U50.K7 | length 2915.4
  L1 w3.15: v1(2870.08,129.92) U49.K7@2885.83,145.67 ; v2(2870.08,500) U47.K7@2885.83,515.75 ; U1.E17@3007.87,1263.78 v2(3023.62,1248.03) ; v2(3287.4,468.5) U48.K7@3334.65,515.75 ; v2(3318.9,129.92) U50.K7@3334.65,145.67
  L3 w3.15: v1(2870.08,129.92) 2901.57,129.92 2917.32,114.17 2917.32,90.55 2933.35,74.53 3172.95,74.53 3194.88,96.46 3226.1,96.46 3248.03,74.53 3263.5,74.53 v2(3318.9,129.92) ; v2(2870.08,500) 2881.89,488.19 2905.51,488.19 2913.39,496.06 3059.57,496.06 3086.61,469.02 3086.61,453.43 3106.97,433.07 3185.04,433.07 3240.16,488.19 3322.83,488.19 3334.65,476.38 3334.65,460.63 3326.77,452.76 3303.15,452.76 v2(3287.4,468.5)
  L10 w3.15: v1(2870.08,129.92) 2847.52,152.48 2847.52,172.84 2822.83,197.53 2822.83,212.6 2822.83,333.16 2828.67,339 2849.69,339 2855.53,344.83 2855.53,356.51 2849.69,362.34 2828.67,362.34 2822.83,368.18 2822.83,421.26 2854.33,452.76 2854.33,484.25 v2(2870.08,500) ; v2(3023.62,1248.03) 3023.62,1236.22 3074.8,1185.04 3181.62,1185.04 3220.47,1146.19 3220.47,1119.09 3244.09,1095.47 3244.09,846.46 3224.41,826.77 3224.41,803.15 3233.27,794.29 3233.27,756.89 3220.47,744.09 3220.47,732.28 3233.27,719.49 3233.27,706.69 3220.47,693.9 3220.47,682.09 3233.27,669.29 3233.27,654.53 3228.35,649.61 3216.54,649.61 3208.66,641.73 3208.66,629.92 3216.54,622.05 3228.35,622.05 3233.27,617.13 3233.27,593.5 3240.16,586.61 3259.84,586.61 3267.72,578.74 3267.72,566.93 3259.84,559.06 3239.93,559.06 3233.13,552.25 3233.13,540.58 3238.97,534.74 3270.03,534.74 3275.59,529.18 3275.59,516.96 3270.03,511.4 3238.97,511.4 3233.13,505.56 3233.13,493.89 3238.97,488.05 3267.85,488.05 v2(3287.4,468.5)
FLASH_DATA7: U1.C18 U47.J8 U48.J8 U49.J8 U50.J8 | length 2871.7
  L1 w3.15: v2(2901.57,98.43) U49.J8@2917.32,114.17 ; v2(2901.57,468.5) U47.J8@2917.32,484.25 ; U1.C18@3070.87,1232.28 v2(3086.61,1216.54) ; v2(3350.39,98.43) U50.J8@3366.14,114.17 ; v2(3350.39,468.5) U48.J8@3366.14,484.25
  L3 w3.15: v2(2901.57,98.43) 2901.57,82.68 2921.26,62.99 3181.1,62.99 3200.79,82.68 3220.47,82.68 3240.16,62.99 3287.4,62.99 3299.21,74.8 3311.02,74.8 3322.83,62.99 3338.58,62.99 3350.39,74.8 v2(3350.39,98.43) ; v2(2901.57,468.5) 2921.26,488.19 2940.95,488.19 2952.76,476.38 2964.57,476.38 2976.38,488.19 2994.09,488.19 3005.91,476.38 3017.72,476.38 3029.53,488.19 3056.31,488.19 3078.74,465.76 3078.74,444.88 3106.3,417.32 3190.78,417.32 3238.03,464.57 3267.72,464.57 3287.4,444.88 3338.58,444.88 3350.39,456.69 v2(3350.39,468.5)
  L10 w3.15: v2(2901.57,98.43) 2901.57,114.17 2913.39,125.98 2913.39,137.8 2905.51,145.67 2893.7,145.67 2885.83,153.54 2885.83,192.91 2877.95,200.79 2851.46,200.79 2838.58,213.66 2838.58,301.8 2874.02,337.23 2874.02,433.07 2881.89,440.94 2893.7,440.94 2901.58,448.82 v2(2901.57,468.5) ; v2(3086.61,1216.54) 3102.36,1216.54 3109.25,1209.65 3191.93,1209.65 3228.35,1173.23 3271.65,1173.23 3311.02,1133.86 3311.02,1098.43 3303.15,1090.55 3291.34,1090.55 3283.46,1082.68 3283.46,1070.87 3291.34,1062.99 3303.15,1062.99 3311.02,1055.12 3311.02,1043.31 3303.15,1035.43 3291.34,1035.43 3283.46,1027.56 3283.46,1003.94 3307.09,980.31 3307.09,728.35 3333.66,701.77 3333.66,648.62 3322.83,637.8 3322.83,625.98 3334.65,614.17 3334.65,602.36 3314.96,582.68 3314.96,519.69 3334.65,500 3334.65,452.76 3350.39,437.01 3381.89,437.01 3397.64,452.76 3397.64,484.25 3389.76,492.13 3374.02,492.13 v2(3350.39,468.5)
FLASH_PT0: R497.1 R498.2 U47.G5 | length 86.9
  L1 w3.15: U47.G5@2980.31,578.74 2996.06,562.99 v2(3027.56,562.99)
  L12 w3.15: v2(3027.56,562.99) 3055.12,562.99 R497.1@3059.05,566.93
FLASH_PT1: R500.1 R501.2 U48.G5 | length 86.9
  L1 w3.15: U48.G5@3429.13,578.74 3444.88,562.99 v2(3476.38,562.99)
  L12 w3.15: v2(3476.38,562.99) 3503.94,562.99 R500.1@3507.87,566.93
FLASH_PT2: R502.1 R503.2 U49.G5 | length 86.9
  L1 w3.15: U49.G5@2980.31,208.66 2996.06,192.91 v2(3027.56,192.91)
  L12 w3.15: v2(3027.56,192.91) 3055.12,192.91 R502.1@3059.05,196.85
FLASH_PT3: R504.1 R505.2 U50.G5 | length 86.9
  L1 w3.15: U50.G5@3429.13,208.66 3444.88,192.91 v2(3476.38,192.91)
  L12 w3.15: v2(3476.38,192.91) 3503.94,192.91 R504.1@3507.87,196.85
FLASH_RB0: R574.1 U1.B16 U47.C8 U48.C8 U49.C8 U50.C8 | length 2902.7
  L1 w3.15: U1.B16@3102.36,1295.28 v2(3118.11,1311.02) ; U49.C8@3106.3,114.17 v2(3122.05,98.43) ; U47.C8@3106.3,484.25 v2(3122.05,468.5) ; U50.C8@3555.12,114.17 v2(3570.87,98.43) ; U48.C8@3555.12,484.25 v2(3570.87,468.5)
  L3 w3.15: v2(3122.05,98.43) 3140.75,98.43 3172.24,129.92 3240.16,129.92 3286.42,176.18 3325.01,176.18 3334.65,166.55 3334.65,142.72 3349.41,127.95 3541.34,127.95 v2(3570.87,98.43) ; v2(3122.05,468.5) 3145.67,468.5 3224.41,547.24 3313.77,547.24 3345.26,578.74 3370.08,578.74 3393.7,555.12 3393.7,515.75 3421.26,488.19 3527.56,488.19 3547.24,468.5 v2(3570.87,468.5)
  L10 w3.15: v2(3118.11,1311.02) 3141.73,1287.4 3193.59,1287.4 3205.4,1299.21 3227.67,1299.21 3243.42,1283.46 3329.36,1283.46 3401.57,1211.25 3401.57,1197.22 3446.23,1152.56 3457.68,1152.56 3468.5,1141.73 3468.5,1051.1 3492.13,1027.48 3492.13,1008.55 3507.87,992.8 3507.87,853.56 3510.83,850.6 3510.83,814.04 3500,803.22 3500,692.91 3522.64,670.28 3522.64,651.37 3515.75,644.47 3515.75,565.74 3533.25,548.23 3577.76,548.23 3586.61,539.37 3586.61,484.25 v2(3570.87,468.5) ; v2(3122.05,98.43) 3066.93,153.54 3066.93,208.66 3043.31,232.28 3043.31,292.53 3054.06,303.29 3071,303.29 3122.05,354.33 3122.05,370.08 3102.36,389.76 3102.36,405.51 3122.05,425.2 v2(3122.05,468.5)
  L12 w3.15: R574.1@3570.87,437.01 v2(3570.87,468.5)
FLASH_RE_B: U1.B17 U47.D4 U48.D4 U49.D4 U50.D4 | length 2873
  L1 w3.15: U49.D4@3074.8,240.16 v2(3090.55,255.91) ; U47.D4@3074.8,610.24 v2(3090.55,625.98) ; U1.B17@3102.36,1263.78 3118.11,1279.53 3149.61,1279.53 v2(3181.1,1311.02) ; U50.D4@3523.62,240.16 v2(3539.37,255.91) ; U48.D4@3523.62,610.24 v2(3539.37,625.98)
  L3 w3.15: v2(3090.55,255.91) 3106.3,240.16 3133.86,240.16 3196.85,303.15 3283.46,303.15 3299.21,318.9 3465.55,318.9 3492.13,292.32 3492.13,266.73 3502.95,255.91 v2(3539.37,255.91) ; v2(3090.55,625.98) 3106.3,610.24 3133.86,610.24 3216.54,692.91 3236.22,692.91 3244.09,685.04 3244.09,677.17 3251.97,669.29 3263.78,669.29 3271.65,677.17 3271.65,685.04 3279.53,692.91 3291.34,692.91 3303.15,681.1 3314.96,681.1 3326.77,692.91 3397.64,692.91 3405.51,685.04 3417.32,685.04 3425.2,692.91 3437.01,692.91 3503.94,625.98 v2(3539.37,625.98)
  L10 w3.15: v2(3090.55,255.91) 3107.28,272.64 3107.28,293.52 3115.93,302.17 3128.16,302.17 3128.3,302.03 3132.74,302.03 3165.35,334.65 3165.35,562.44 3148.07,579.72 3115.93,579.72 3107.28,588.37 3107.28,598.63 3096.67,609.25 3096.47,609.25 3090.55,615.17 v2(3090.55,625.98) ; v2(3181.1,1311.02) 3185.04,1314.96 3235.57,1314.96 3248.6,1301.93 3335.86,1301.93 3417.32,1220.47 3417.32,1203.74 3452.76,1168.31 3476.38,1168.31 3551.18,1093.5 3551.18,1015.75 3544.63,1009.19 3531.73,1009.19 3525.89,1003.36 3525.89,991.68 3531.73,985.85 3545.34,985.85 3551.18,980.01 3551.18,968.34 3545.34,962.5 3531.73,962.5 3525.89,956.66 3525.89,944.99 3531.73,939.15 3545.34,939.15 3551.18,933.32 3551.18,921.64 3545.34,915.81 3531.73,915.81 3525.89,909.97 3525.89,898.3 3531.73,892.46 3545.34,892.46 3551.18,886.62 3551.18,874.95 3545.34,869.11 3531.73,869.11 3526.57,863.96 3526.57,850.92 3531.73,845.77 3545.34,845.77 3551.18,839.93 3551.18,828.26 3545.34,822.42 3531.73,822.42 3526.57,817.27 3526.57,804.13 3531.63,799.07 3543.44,799.07 3551.18,791.34 3551.18,677.72 3539.37,665.91 v2(3539.37,625.98) v2@3543.31,629.92
FLASH_WE_B: U1.E16 U47.C7 U48.C7 U49.C7 U50.C7 | length 2872
  L1 w3.15: U1.E16@3007.87,1295.28 v2(3023.62,1279.53) ; U49.C7@3106.3,145.67 v2(3122.05,129.92) ; U47.C7@3106.3,515.75 v2(3122.05,500) ; U50.C7@3555.12,145.67 v2(3570.87,129.92) ; U48.C7@3555.12,515.75 v2(3570.87,500)
  L3 w3.15: v2(3122.05,129.92) 3141.73,129.92 3220.47,208.66 3493.25,208.66 3515.75,186.16 3515.75,165.35 3535.43,145.67 3555.12,145.67 v2(3570.87,129.92) ; v2(3122.05,500) 3153.54,500 3212.6,559.06 3311.02,559.06 3362.2,610.24 3389.76,610.24 3468.5,531.5 3468.5,515.75 3476.38,507.87 3519.69,507.87 3535.43,523.62 3547.24,523.62 v2(3570.87,500)
  L10 w3.15: v2(3023.62,1279.53) 3034.24,1279.53 3049.99,1263.78 3154.22,1263.78 3161.11,1270.67 3192.55,1270.67 3203.37,1259.84 3231.83,1259.84 3239.7,1267.72 3322.83,1267.72 3385.83,1204.72 3385.83,1183.8 3429.13,1140.5 3429.13,1059.06 3476.38,1011.81 3476.38,953.74 3464.57,941.93 3464.57,838.58 3484.25,818.9 3484.25,645.67 3496.06,633.86 3496.06,586.61 3496.06,570.19 3496.06,555.12 3535.43,515.75 3555.12,515.75 v2(3570.87,500) ; v2(3122.05,129.92) 3075.79,176.18 3075.79,189.96 3082.68,196.85 3082.68,208.66 3059.06,232.28 3059.06,266.52 3086.61,294.08 3086.61,303.15 3145.67,362.2 3145.67,374.02 3133.86,385.83 3133.86,397.64 3145.67,409.45 3145.67,425.2 3137.8,433.07 3137.8,456.69 3145.67,464.57 3145.67,476.38 v2(3122.05,500)
FLASH_WP_B: U1.E15 U47.C3 U48.C3 U49.C3 U50.C3 | length 2871.6
  L1 w3.15: U1.E15@3007.87,1326.77 v2(3023.62,1311.02) ; U49.C3@3106.3,271.65 v2(3122.05,287.4) ; U47.C3@3106.3,641.73 v2(3122.05,657.48) ; U50.C3@3555.12,271.65 v2(3570.87,287.4) ; U48.C3@3555.12,641.73 v2(3570.87,657.48)
  L3 w3.15: v2(3122.05,287.4) 3122.05,314.96 3145.67,338.58 3555.12,338.58 3570.87,322.83 v2(3570.87,287.4) ; v2(3122.05,657.48) 3102.36,657.48 3094.49,665.35 3094.49,677.17 3102.36,685.04 3153.54,685.04 3181.1,712.6 3511.81,712.6 3547.24,677.17 3547.24,665.35 3555.12,657.48 v2(3570.87,657.48)
  L10 w3.15: v2(3023.62,1311.02) 3039.37,1295.28 3060.25,1295.28 3070.87,1305.89 3070.87,1318.55 3079.09,1326.77 3091.74,1326.77 3099.62,1334.65 3240.16,1334.65 3255.91,1318.9 3355.52,1318.9 3570.87,1103.56 3570.87,780.19 3576.7,774.35 3590.55,774.35 3596.39,768.51 3596.39,756.84 3590.55,751 3574.8,751 3568.97,745.17 3568.97,733.49 3574.8,727.66 3590.55,727.66 3596.39,721.82 3596.39,710.15 3590.55,704.31 3578.33,704.31 3570.87,696.85 3570.87,688.98 3578.74,681.1 3582.68,677.17 3582.68,669.29 v2(3570.87,657.48) ; v2(3122.05,287.4) 3145.67,287.4 3181.1,322.83 3181.1,570.87 3141.73,610.24 3114.17,610.24 3106.3,618.11 3106.3,641.73 v2(3122.05,657.48)
FLEXCAN1_RX: R250.1 U1.D14 U27.4 | length 4296.2
  L1 w3.15: U1.D14@3039.37,1358.27 v2(3055.12,1374.02) ; v1(5200.79,1051.18) 5200.79,1066.93 5208.66,1074.8 R250.1@5220.47,1074.8
  L3 w3.15: v1(3925.2,188.98) 3989.17,188.98 4047.24,247.05 5076.77,247.05 5118.11,205.71 v1(5118.11,165.35)
  L10 w3.15: v2(3055.12,1374.02) 3062.01,1380.91 3062.01,1388.1 3071.54,1397.64 3188.98,1397.64 3216.54,1370.08 3258.49,1370.08 3277.19,1351.38 3379.71,1351.38 3622.05,1109.04 3622.05,838.58 3669.29,791.34 3669.29,619.09 3656.5,606.3 3656.5,555.12 3662.4,549.21 3662.4,279.22 3762.49,179.13 3915.35,179.13 v1(3925.2,188.98) ; v1(5118.11,165.35) 5165.35,212.6 5165.35,259.84 5157.48,267.72 5114.17,267.72 5056.13,325.76 5056.13,426.21 5090.55,460.63 5090.55,532.85 5066.93,556.47 5066.93,774.24 5125.98,833.29 5125.98,918.52 5155.3,947.83 5184.06,947.83 5200.79,964.57 v1(5200.79,1051.18)
  L12 w3.15: v1(5200.79,1051.18) 5202.76,1053.15 U27.4@5202.76,1072.83
FLEXCAN1_RX_BUFF: R250.2 R251.1 U26.4 U27.1 U27.2 | length 332.8
  L1 w3.15: R250.2@5259.84,1074.8 5275.59,1074.8 5311.02,1110.24 v1(5311.02,1114.17) ; R251.1@5440.94,1070.87 5429.13,1082.68 5429.13,1114.17 v1(5440.94,1125.98)
  L12 w3.15: U27.2@5277.56,1098.43 U27.1@5277.56,1124.02 5301.18,1124.02 v1(5311.02,1114.17) 5323.03,1126.18 U26.4@5346.46,1126.18 5440.75,1126.18 v1(5440.94,1125.98)
FLEXCAN1_STBY: Q6.1 R65.1 R252.1 U1.D15 | length 4453
  L1 w3.15: U1.D15@3039.37,1326.77 v2(3055.12,1342.52) ; v1(5267.72,866.14) R65.1@5326.77,866.14 5374.02,913.39 R252.1@5377.95,913.39 5399.61,891.73 Q6.1@5438.98,891.73
  L3 w3.15: v1(3925.2,153.54) 4001.97,153.54 4038.39,189.96 4522.64,189.96 4552.17,219.49 4778.54,219.49 4822.83,175.2 5082.68,175.2 5107.28,150.59 5140.75,150.59 v1(5153.54,137.8)
  L10 w3.15: v2(3055.12,1342.52) 3055.12,1353.14 3071.85,1369.87 3071.85,1380.13 3080.5,1388.78 3122.83,1388.78 3149.41,1362.2 3255.23,1362.2 3273.93,1343.5 3376.45,1343.5 3610.24,1109.72 3610.24,834.65 3648.62,796.26 3648.62,263.78 3728.35,184.05 3728.35,114.17 3775.59,66.93 3838.58,66.93 v1(3925.2,153.54) ; v1(5153.54,137.8) 5192.91,177.17 5192.91,279.53 5177.17,295.28 5125.98,295.28 5078.74,342.52 5078.74,417.32 5122.05,460.63 5122.05,566.93 5104.33,584.65 5104.33,750 5220.47,866.14 v1(5267.72,866.14)
FLEXCAN1_STBY_Q: Q6.3 R248.1 R252.2 R253.2 U26.8 | length 295.6
  L1 w3.15: R248.1@5322.83,952.76 R252.2@5377.95,952.76 5450.79,952.76 Q6.3@5464.57,966.54 5478.35,952.76 R253.2@5551.18,952.76 v1(5578.74,952.76)
  L12 w3.15: U26.8@5566.93,976.18 5578.74,964.37 v1(5578.74,952.76)
FLEXCAN1_TX: R242.1 U1.B13 U24.1 U24.2 | length 4244.7
  L1 w3.15: v2(3086.62,1374.02) U1.B13@3102.36,1389.76 ; v1(5161.42,933.07) 5173.23,933.07 R242.1@5212.6,972.44
  L3 w3.15: v1(3925.2,118.11) 4315.94,118.11 4327.76,129.92 v1(5122.05,129.92)
  L10 w3.15: v2(3086.62,1374.02) 3087.13,1374.02 3106.82,1354.33 3251.97,1354.33 3270.67,1335.63 3373.19,1335.63 3598.43,1110.39 3598.43,826.77 3633.86,791.34 3633.86,594.56 3640.75,587.67 3640.75,556.88 3633.86,549.99 3633.86,250 3702.76,181.1 3702.76,112.2 3757.87,57.09 3874.02,57.09 3925.2,108.27 v1(3925.2,118.11) ; v1(5122.05,129.92) 5177.17,185.04 5177.17,270.98 5164.68,283.46 5122.05,283.46 5066.93,338.58 5066.93,420.25 5106.3,459.62 5106.3,555.12 5090.55,570.87 5090.55,771.65 5161.42,842.52 v1(5161.42,933.07)
  L12 w3.15: v1(5161.42,933.07) 5173.23,944.88 U24.2@5190.94,944.88 U24.1@5190.94,919.29
FLEXCAN1_TX_BUFF: R242.2 R249.1 U24.4 U26.1 | length 276.5
  L1 w3.15: R242.2@5248.71,972.44 5248.71,984.93 v1(5259.84,996.06) ; v1(5433.07,976.38) 5433.07,1006.68 5440.94,1014.55 R249.1@5440.94,1023.62
  L12 w3.15: v1(5259.84,996.06) 5265.75,990.16 U24.4@5265.75,970.47 5340.75,970.47 U26.1@5346.46,976.18 5346.65,976.38 v1(5433.07,976.38)
FS_1V375: R294.1 R297.2 U36.6 | length 106.1
  L1 w7.87: U36.6@3513.78,2209.05 3513.78,2226.38 v1(3523.62,2236.22)
  L12 w7.87: R294.1@3496.06,2271.81 3496.06,2263.78 v1(3523.62,2236.22) R297.2@3543.31,2255.91
FS_3V3_HDR: R305.1 R308.2 U37.6